# Allegro board HI3516AREFB VER.D.brd (continued)
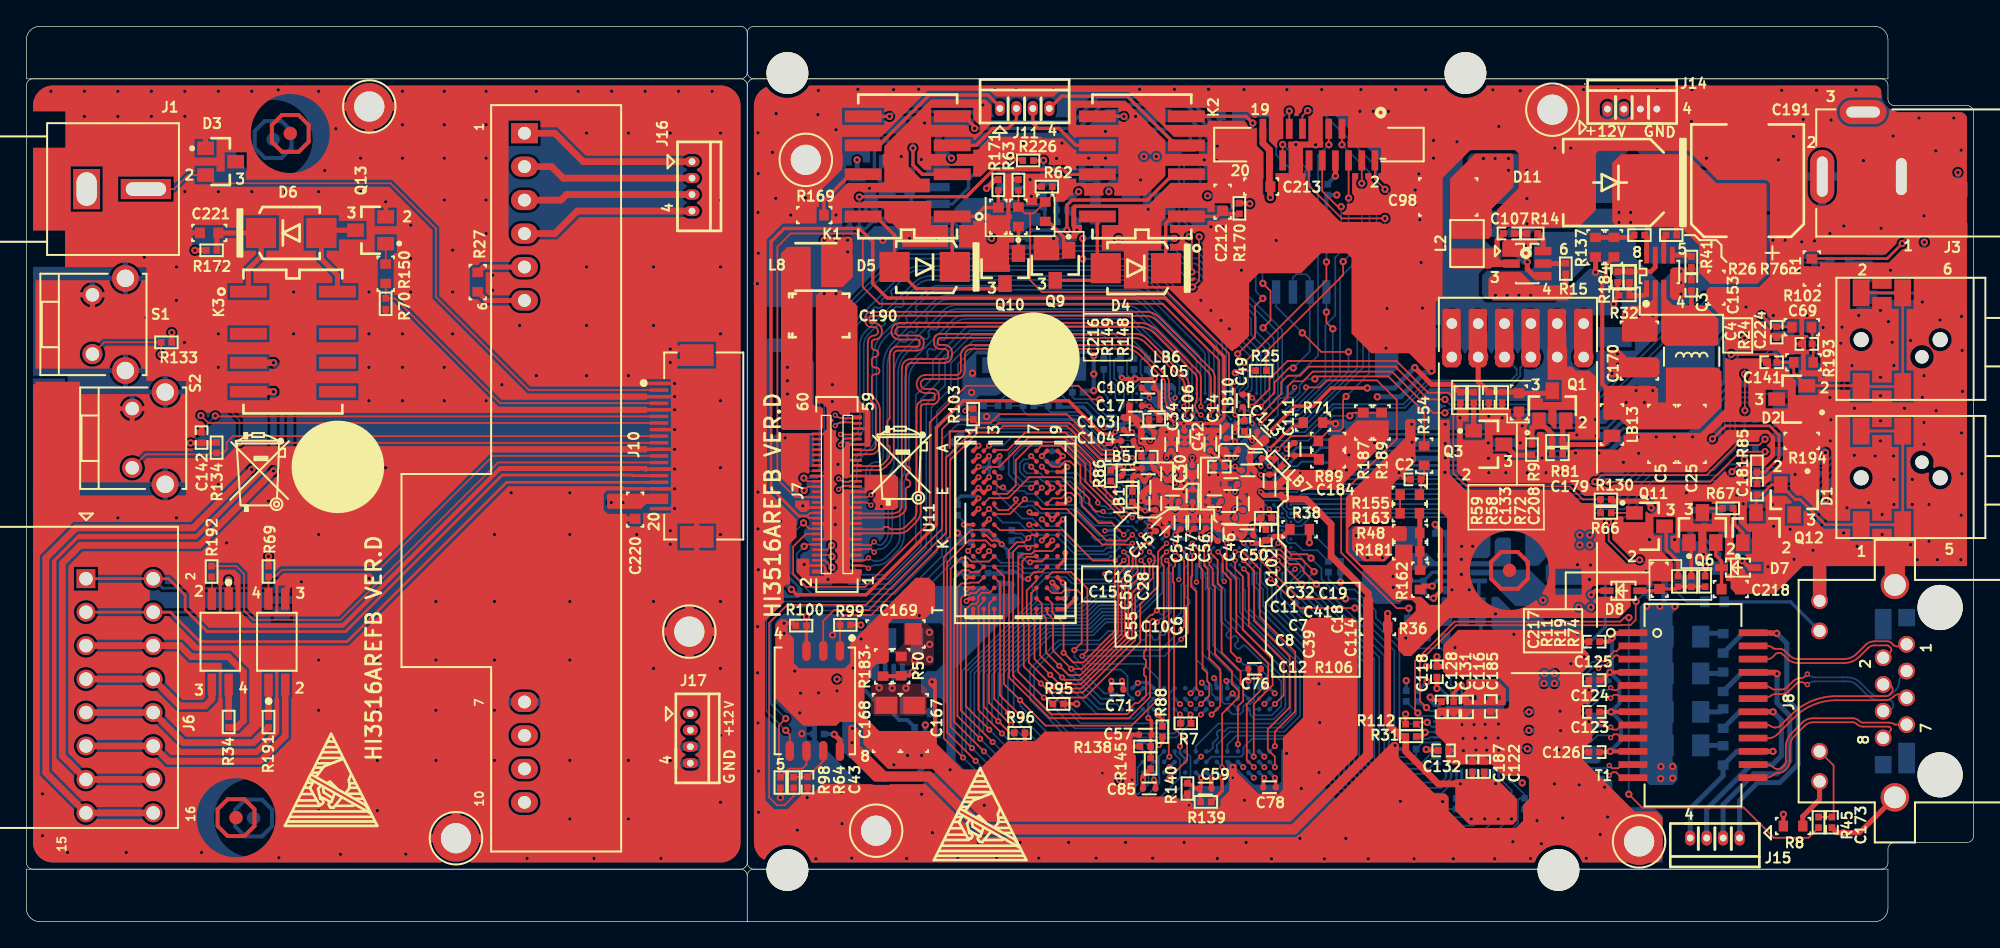
[diagram p0: board, top side]
## Nets (continued)
MIPI1_D1M: J7.41 U8.Y12
MIPI1_D1P: J7.39 U8.W12
MIPI1_D2M: J7.59 U8.AA14
MIPI1_D2P: J7.57 U8.AB14
MIPI1_D3M: J7.35 U8.AA12
MIPI1_D3P: J7.33 U8.AB12
MUTE: R66.2 R130.1 U8.Y18
MUTE_R: C181.1 D1.2 J4.1 J4.2 J4.3 J4.4 Q12.3
MX1+: J8.1 T1.23
MX1-: J8.2 T1.22
MX2+: J8.3 T1.20
MX2-: J8.6 T1.19
MX3+: J8.4 T1.17
MX3-: J8.5 T1.16
MX4+: J8.7 T1.14
MX4-: J8.8 T1.13
ONE_KEY_RECOVERY: J9.9 U8.W20
ONE_KEY_RECOVERY_CON: J10.9 R134.1 S2.2
POE_12V: D10.1 J14.1 J14.2
POE_12V_CON: J17.1 J17.2 U1.8
POE_VA1: J15.1 R93.1 T1.24
POE_VA1_CON: J16.1 U1.1
POE_VA2: J15.2 R92.1 T1.21
POE_VA2_CON: J16.2 U1.2
POE_VB1: J15.3 R91.1 T1.18
POE_VB1_CON: J16.3 U1.3
POE_VB2: J15.4 R90.1 T1.15
POE_VB2_CON: J16.4 U1.4
RGMII_ENSWREG: R115.2 U2.38
RGMII_RX_CLK: R35.1 U8.A21
RGMII_RX_DV/PHY_AD2: R119.1 U2.13 U8.B18
RGMII_RXD0/SELRGV: R107.2 U2.14 U8.A18
RGMII_RXD1/TXDLY: R108.2 U2.16 U8.C18
RGMII_RXD2/AN0: R109.2 U2.17 U8.A19
RGMII_RXD3/AN1: R110.2 U2.18 U8.A20
RGMII_TX_CLK: R23.1 U2.22
RGMII_TX_EN: U2.27 U8.C19
RGMII_TXD0: U2.23 U8.B21
RGMII_TXD1: U2.24 U8.C21
RGMII_TXD2: U2.25 U8.C20
RGMII_TXD3: U2.26 U8.D19
RS485_A: J9.15 R12.1 R196.2
RS485_A_CON: D12.1 J6.1 J6.2 J10.15
RS485_B: J9.16 R12.2 R195.2
RS485_B_CON: D12.2 J6.3 J6.4 J10.16
RXDLY: R112.2 U2.32
SDIO1_CARD_DETECT: J13.12 R124.1 U8.J20
SDIO1_CARD_POWER_EN: R60.1 R61.2 U8.J21
SDIO1_CCLK_OUT: J13.5 U8.K22
SDIO1_CCMD: J13.3 R127.1 U8.K21
SDIO1_CDATA0: J13.7 R126.1 U8.K20
SDIO1_CDATA1: J13.8 R125.1 U8.J22
SDIO1_CDATA2: J13.1 R129.1 U8.L19
SDIO1_CDATA3: J13.2 R128.1 U8.K19
SDIO1_CWPR: R106.2 U8.J19
SDIO1_VOUT: R125.2 R126.2 R127.2 R128.2 R129.2 U8.K18
SENSOR_CLK: J7.18 R30.1
SENSOR_RSTN: J7.16 U8.Y1
SFC_CLK/SFC_BOOT_MODE: R21.1 R98.2 U4.6
SFC_CSN1: R99.1 U4.1 U8.R3
SFC_SDI_IO1: U4.2 U8.P3
SFC_SDO_IO0: U4.5 U8.R2
SFC_WP_IO2: R100.2 U4.3 U8.P2
SHUTTER_TRIG: J7.30 U8.W15
SPI0_CLK/I2C0_SCL: J7.6 R54.1 U8.AB2
SPI0_CSN: J7.10 R28.1 U8.Y3
SPI0_MISO: J7.12 U8.AA2
SPI0_MOSI/I2C0_SDA: J7.8 R55.1 U8.Y2
SVB_PWM_MEDIA: R152.1 U8.AA22
SVB_PWM_VDD_DDR_CPU: R154.2 U8.AA21
SYS_RSTN_OUT: R64.2 R103.1 U8.T4
UART0_RX_CON: J10.7 J12.3
UART0_RXD: J9.7 U8.W21
UART0_TX_CON: J10.6 J12.2
UART0_TXD: J9.6 U8.Y21
UART1_RTSN: U5.2 U5.3 U8.Y19
UART1_RXD: U5.1 U8.Y22
UART1_TXD: U5.4 U8.W22
USB_DM: J2.4 U8.U21
USB_DP: J2.3 U8.U22
USB_PWREN: R58.1 R59.2 U8.V19
USB_REXT: R187.2 R189.2 U8.U20
VDAC_CVBS: J9.2 R89.2 U8.T20
VDAC_CVBS_CON: D3.2 J1.1 J10.2
VDAC_IREF: R71.2 U8.T19
VI_POWER_SENSOR: C106.1 C108.1 J7.22 J7.24 R28.2 R54.2 R55.2 U8.V6 U8.V8 U8.V11 U8.V12
WPS: J9.10 U8.AA17
WPS_CON: J10.10 R133.1 S1.2
$5N57: R76.2 U6.6
$5N172: C174.1 R2.2 U17.4
$5N179: C175.1 R3.2 U17.2
$5N189: L3.2 U17.6
$5N227: L4.1 U17.3
$5N272: L5.1 U18.3
$5N281: R4.2 U18.2
$5N289: C177.1 R5.2 U18.4
$5N295: L6.2 U18.6
$5N319: C1.1 R152.2 R153.1
$5N325: C2.1 R154.1 R155.2
$5N360: R160.2 U17.8
$5N362: R47.2 R160.1 R161.2 R180.1
$5N366: R153.2 R161.1
$5N371: R162.1 U17.1
$5N373: R48.1 R162.2 R163.1 R181.1
$5N376: R155.1 R163.2
$5N384: R50.2 R183.1 U18.8
$5N390: R49.1 R182.1 U18.1
$5N399: D9.1 J3.2
$5N405: D9.2 D10.2 F1.1
$5N494: R26.1 U6.8
$5N498: C3.2 L1.1 U6.3
$5N501: C3.1 R41.2
$5N503: R41.1 U6.5
$5N521: R24.2 R32.1 U6.1
$5N524: C4.1 R24.1 U6.7
$5N578: R26.2 R137.1 R184.2
$8N61: R88.2 U12.L8
$8N208: R87.2 U11.L8
$9N9: C200.1 R37.1 U8.U1 X1.1
$9N11: R20.1 R37.2 U8.U2
$9N21: C199.1 R20.2 X1.3
$9N36: C197.1 U8.W2 X2.1
$9N38: C198.1 U8.W1 X2.2
$9N193: R22.2 U8.E19
$9N253: R23.2 U8.B22
$9N273: R29.2 U8.B19
$9N302: C43.1 R64.1 U4.7
$9N313: R21.2 U8.P1
$10N55: R30.2 U8.AA1
$10N134: R105.1 U8.H19
$11N52: R196.1 U5.6
$11N242: C182.1 U8.P22
$11N297: R25.2 U8.Y15
$11N310: R195.1 U5.7
$12N30: R35.2 U2.19
$12N55: R33.1 U2.39
$12N66: L7.1 U2.48
$12N249: C123.1 C124.1 C125.1 C126.1 T1.1 T1.4 T1.7 T1.10
$12N424: C193.1 R90.2
$12N434: C194.1 R91.2
$12N437: C195.1 R92.2
$12N444: C196.1 R93.2
$13N108: C109.1 C190.1 J7.56 J7.58 J7.60 L8.1(TP-1)
$14N16: J8.14 R46.1
$14N24: C172.1 R44.1 R46.2
$14N29: C173.1 J8.15 R45.1
$14N96: C179.1 LB13.2 Q1.2 R81.2
$14N104: Q3.3 R9.1
$14N106: Q3.1 R58.2
$14N148: J8.16 R8.1
$14N159: C179.2 Q1.1 R9.2 R81.1
$15N48: C180.2 Q2.1 R10.2 R82.1
$15N50: Q4.1 R60.2
$15N51: Q4.3 R10.1
$16N147: Q5.1 R185.2
$16N148: C243.2 Q5.2 R185.1 R188.2 R190.1 R225.1 U16.7
$16N152: C243.1 R188.1 R203.2 R226.2 U16.6
$16N156: R206.2 R209.1 R228.2 U16.5
$16N158: R226.1 R229.2 U16.1
$16N159: R204.2 R229.1 U16.2
$16N166: R200.1 R211.1 R221.2
$16N170: R204.1 R205.1 R210.2
$16N171: C227.1 R186.2 R210.1
$16N199: R208.1 R211.2 U16.3
$16N257: C107.2 L2.1 U15.2
$16N258: C107.1 R14.2
$16N262: R13.2 R16.1 R18.1
$16N263: R13.1 U15.4
$16N265: R15.2 U15.5
$16N272: R14.1 U15.6
$17N10: C159.2 U13.12
$17N32: C139.1 U13.9
$17N46: R77.1 U13.1
$17N50: R78.1 U13.4
$17N80: C216.1 D5.2 K1.1 R171.2
$17N83: D5.1 K1.8 Q10.3
$17N87: Q10.1 R149.2
$17N129: C212.1 D4.2 K2.1 R170.2
$17N132: Q9.1 R148.2
$17N133: D4.1 K2.8 Q9.3
$18N47: LED1.1 LED1.3 R175.2
$18N52: LED1.4 Q7.3
$18N54: Q7.1 R177.2
$18N62: Q7.2 R176.2
$18N72: Q8.1 R179.2
$18N75: Q8.2 R178.2
$18N77: LED1.2 Q8.3
$18N416: Q11.1 R66.1
$18N425: Q11.3 R11.1
$18N427: C217.1 D8.2 R11.2 R19.1 R74.1
$18N435: C218.1 D7.1 Q6.2
$18N438: Q6.1 R19.2
$18N440: Q6.3 R67.2
$18N442: Q12.1 R67.1
$18N491: C69.1 R102.1 R193.2
$18N517: LED2.2 R1.1
$19N51: R192.2 U10.2
$19N55: R191.1 U9.1
$19N64: C221.1 D6.2 K3.1 R172.2
$19N66: Q13.1 R150.2
$19N67: D6.1 K3.8 Q13.3
$19N114: R34.1 U10.4
$19N229: R27.1 U1.6
$19N230: R27.2 U1.5

Pads without a net: D1 3; D2 3; D3 3; J2 1 6; J7 2 28 32 40 42 44 46 48 50 52; J12 5 6; K3 2 5 6 7; LED2 3; NOREF#14 1; NOREF#18 1; NOREF#25 1; NOREF#26 1; NOREF#27 1; NOREF#28 1; U1 9 10; U2 12 20 33 46; U8 AA3 AA4 AA5 AA7 AA16 AB3 AB4 AB5 AB6 AB7 AB8 C22 D21 D22 E20 E21 E22 F19 F20 F21 F22 G19 G20 G21 G22 H20 H21 K1 K2 K3 K4 L1 L2 L3 L4 L20 L21 L22 M1 M2 M3 M4 M18 M19 M20 M21 M22 N1 N2 N3 N4 N19 N20 P4 P21 R4 R20 T1 T2 T3 V3 V4 V20 W4 W5 W6 W7 W8 W19 Y4 Y5 Y6 Y7 Y16; U11 J1 J9 L1 L9 M7; U12 J1 J9 L1 L9 M7; U13 6; U19 1 5

## Via types
v1: diameter 0.559, hole 0.254, TOP to BOTTOM, 770 vias
v2: diameter 0.406, hole 0.203, TOP to BOTTOM, 171 vias
v3: diameter 0.457, hole 0.203, TOP to BOTTOM, 144 vias

## Routing (per net, layer and track width the routed paths; a pad name or vN(x,y) marks a point on that pad's centre or on a via; arc(x,y) is an arc through that point)
1V1_MEDIA_CORE: length 23.2
  TOP w0.254: C41.1 92.03,34.26 v2(91.71,34.57) 91.68,34.54 C11.1 90.79,34.68 90.79,34.84 v2(90.41,35.22) 89.86,35.78 C42.1 ; C39.1 92.24,31.32 v2(91.71,31.32) 91.69,31.3 C12.1
  BOTTOM w0.254: v2(91.71,34.57) U8.N15 91.52,34.11 91.52,33.73 U8.M15 ; v1(118.63,28.6) 119.79,27.43 119.79,22.37 118.09,20.67 112.67,20.67 R47.1 ; U8.H15 91.71,31.32 v2(91.71,31.32) 91.39,31.64 U8.J15 ; U8.R14 v2(90.41,35.22) U8.R13
  vias: v1(117.86,29.36) v1(117.86,28.6) v1(118.63,29.36)
1V1_VDD_DDR_CPU_CORE: length 17.1
  TOP w0.254: C32.1 91.71,35.6 v2(91.71,35.22) ; C10.1 v2(87.16,31.32) ; C28.1 86.93,33.92 v2(87.16,33.92) ; C28.1 v3(86.06,33.96) 85.91,34.11 85.88,34.11 C16.1 85.39,34.6 LB5.2 ; C28.1 v2(87.16,33.27) ; v2(88.46,31.31) 88.48,31.32 C6.1 ; v2(90.41,31.32) 90.41,31.72 C8.1 ; C7.1 91.71,33.06 v2(91.71,32.62) ; C30.1 88.45,35.21 v2(88.46,35.22)
  TOP w0.305: v2(87.16,35.22) 87.16,35.44 C34.1 86.51,35.41 v2(86.51,35.22)
  BOTTOM w0.254: U8.H8 v2(87.16,31.32) 86.84,31.64 U8.J8 ; U8.H13 90.09,31 v2(90.41,31.32) U8.H14 ; U8.P15 v2(91.71,35.22) 91.39,35.55 U8.R15 ; v2(87.16,33.92) 87.15,33.93 87.15,33.93 U8.N8 ; U8.R9 87.48,35.55 v2(87.16,35.22) ; U8.K15 91.39,32.3 v2(91.71,32.62) ; U8.H11 88.78,31 v2(88.46,31.31) 88.15,31 U8.H10 ; v2(86.51,35.22) 86.83,35.55 U8.R8 86.84,35.54 v2(87.16,35.22) ; U8.R11 v2(88.46,35.22) U8.R10 ; v2(87.16,35.22) 86.84,34.9 U8.P8 ; U8.M8 86.84,33.59 v2(87.16,33.27) U8.L8
  vias: v1(100.9,29.31) v1(100.92,28.29) v1(101.76,27.63) v1(102.88,27.63)
1V05_REGOUT: length 10.2
  TOP w0.254: C128.1 107.27,16.81 106.74,16.81 v1(106.51,17.04) ; v1(108.85,17.93) 108.29,17.37 C131.1
  TOP w0.305: v1(106.21,13.08) 106.28,13 C132.1
  BOTTOM w0.203: U2.3 113.42,15.6 113.75,15.92 v1(114,15.92) ; U2.40 108.9,17.82 108.85,17.88 v1(108.85,17.93) ; v1(106.21,13.08) 106.33,13.2 U2.28 ; U2.9 113.81,13.2 v1(113.88,13.13) ; v1(106.51,17.04) 106.51,16.73 106.85,16.4 U2.36
  BOTTOM w0.381: v1(113.88,13.13) 113.96,13.05 C129.1 ; C189.1 114.05,15.97 v1(114,15.92)
  vias: v1(115.17,18.84) v1(115.15,18.08) v1(115.93,18.84) v1(115.93,18.08)
1V8: length 74.9
  TOP w0.381: C114.1 93.92,32.36 v2(93.66,32.62)
  TOP w0.508: C114.1 95.49,32.08 97.09,32.08 98.99,30.17 98.99,27.73 101.81,24.91 101.81,24.41
  TOP w0.762: 101.81,24.41 R36.1 101.81,12.65 96.17,7.01 72.5,7.01 68.49,11.02 65.06,11.02 64.59,11.49
  BOTTOM w0.254: v2(93.66,32.62) 93.34,32.94 U8.L18
  BOTTOM w0.381: L5.2 63.55,12.07 64.45,11.17 67.52,11.17 68.99,12.65 R49.2
  vias: v1(62.67,14.68) v1(62.64,13.59)
1V35: length 44.2
  TOP w0.254: v3(72.24,28.14) 72.64,28.54 72.64,28.54 U11.K2 ; v2(85.21,29.37) C45.1 v2(85.21,30.02) ; U11.A8 77.44,35.74 v3(77.04,35.34) ; C47.1 v2(88.14,29.5) ; v3(76.11,31.09) 76.25,30.94 U11.G7 ; U11.C9 78.6,34.14 78.95,34.49 78.95,34.49 v3(78.98,34.51) ; v3(77.84,28.94) 77.44,28.54 U11.K8 ; R139.2 90.72,9.91 v3(90.72,10.93) ; C76.1 92.72,19.19 v3(92.72,18.28) ; v3(78.64,25.74) 78.24,26.14 U11.N9 ; U11.F1 72.06,31.96 v3(72.24,32.14) ; v3(83.12,18.29) 83.23,18.18 C71.1 ; v3(73.04,30.54) 72.85,30.35 U11.H2 ; U11.D9 v3(78.64,32.94) 78.24,32.54 U11.E9 ; U11.B2 v3(73.04,35.34) ; v2(89.76,29.37) 89.92,29.37 C46.1 ; U11.R1 71.81,24.51 71.5,24.51 71.33,24.34 v3(71.33,24.34) ; v3(78.8,24.54) 78.24,24.54 U11.R9 ; U11.N1 71.84,26.14 v3(71.29,26.14) ; U11.A1 v3(72.24,36.14) ; v3(78.64,30.54) 78.24,30.14 U11.H9 ; v3(94.72,10.93) 94.79,10.86 C78.1 ; U11.D2 v3(73.04,33.74) ; U11.C1 v3(72.24,34.54)
  TOP w0.381: C85.1 84.72,10.11 v3(84.72,10.77) 84.72,11.03 R145.2
  BOTTOM w0.254: v3(94.72,10.93) 94.32,11.33 U12.A1 ; v3(92.72,18.28) 92.72,17.73 U12.C9 ; v3(89.13,12.53) 88.73,12.13 88.73,12.12 U12.H2 ; U12.G7 89.52,16.12 v3(89.11,15.72) ; R144.2 70.65,32.05 70.9,32.3 72.08,32.3 v3(72.24,32.14) ; U12.K2 87.12,12.12 87.12,12.12 v3(86.72,11.72) ; v3(93.93,16.53) 94.32,16.92 U12.A8 ; U12.C1 v3(93.12,10.93) ; v3(72.24,34.54) 72.29,34.49 73.04,34.49 ; v3(82.91,10.73) 83.12,10.94 U12.R1 ; 73.04,34.49 C90.1 73.05,33.74 v3(73.04,33.74) ; 73.04,34.49 v3(73.04,35.34) ; U8.E13 v2(89.76,29.37) U8.E12 ; U12.F1 v3(90.72,10.93) ; v2(88.14,29.5) U8.E10 U8.E9 ; v3(92.32,11.73) 91.92,12.12 U12.D2 ; U12.B2 93.53,12.12 v3(93.92,11.73) ; U12.H9 88.54,17.54 v3(88.33,17.33) ; v3(78.64,25.74) 78.64,25.52 C83.1 79.01,24.75 v3(78.8,24.54) ; v3(84.72,10.77) 84.72,11.32 U12.N1 ; v3(77.04,35.34) 77.62,34.76 C93.1 78.73,34.76 v3(78.98,34.51) ; C68.1 71.01,26.42 v3(71.29,26.14) 71.62,26.46 R142.2 ; U12.K8 87.12,16.92 v3(87.53,16.52) ; U12.N9 84.51,17.51 84.51,17.5 v3(84.33,17.32) ; U12.E9 91.12,18.2 v3(91.05,18.28) 91.37,18.28 U12.D9 ; U8.E6 85.54,29.05 v2(85.21,29.37) 84.89,29.7 U8.F5 84.89,29.7 v2(85.21,30.02) U8.G5 ; v3(83.12,18.29) 83.12,17.73 U12.R9
  vias: v1(67.39,19.86) v1(68.51,21.97) v1(68.54,21.05) v1(68.54,19.91)
3V3: length 104.6
  TOP w0.254: v2(93.66,34.57) 93.66,35.12 C19.1 93.77,35.22 94.63,35.22 LB7.2 ; v3(91.71,36.45) 91.45,36.71 C14.1 ; v2(83.91,37.17) 83.45,37.17 C103.1 ; v1(61.42,51.74) 61.42,51.61 61.68,51.35 61.68,50.34 61.1,49.76 L8.2 60.54,50.27 v1(60.54,51.74) ; R112.1 v1(104.65,15.75) ; C49.1 92.41,38.95 LB10.1 92.07,38.03 91.71,37.67 v2(91.71,37.17) ; R99.2 v1(63.31,22.53) ; R74.2 127.39,26.26 v1(127.39,26.97)
  TOP w0.305: D7.2 130.71,26.87 v1(130.18,27.4) ; D8.1 119.04,25.12 v1(118.73,24.81) ; C17.1 85.17,39.16 v2(85.21,39.12) 85.96,38.37 LB6.2 ; R184.1 119.84,49.86 119.84,48.84 119.57,48.56 119.57,40.81 119.95,40.43 ; C50.1 93.09,29.95 v2(93.01,30.02) ; v1(106.89,30.15) 107.32,29.72 107.32,25.12 v1(106.76,24.56) ; LB1.1 83.91,33.73 C15.1 84.42,33.86 C51.1 85.21,33.82 v2(85.21,33.92) ; R170.1 92.77,54.56 v1(92.82,54.5) ; R8.2 v1(133.31,8.15) ; v2(71.2,38.78) 71.36,38.93 R103.2
  TOP w0.381: v1(61.3,14.22) 61.73,13.79 U4.8 ; v1(72.85,55.67) 73.52,56.33 R171.1 ; v1(123.27,31.42) 123.27,31.54 122.89,31.92 120.38,31.92 R130.2 ; R38.1 v1(97.34,28.77) ; C118.1 v1(107.02,17.7)
  TOP w0.508: J9.19 93.82,59.1 94.32,58.6 J9.18 94.32,55.86 C213.1 v1(94.38,54.97)
  POWER02 w0.305: 122.17,8.87 122.43,9.12 132.34,9.12 v1(133.31,8.15)
  BOTTOM w0.203: U2.41 109.3,17.52 109.56,17.78 109.56,17.95 v1(109.61,18) ; U2.44 110.5,17.83 110.7,18.03 v1(110.73,18.03) 110.9,17.86 U2.45 ; U2.37 107.7,17.27 107.27,17.7 v1(107.02,17.7) ; U8.P18 v2(93.66,34.57) ; U2.6 113.88,14.4 v1(114,14.52)
  BOTTOM w0.254: U8.V17 92.69,37.42 v3(91.71,36.45) ; U8.G18 v2(93.01,30.02) 93.34,29.7 U8.F18 ; U8.V16 92.04,37.49 v2(91.71,37.17) ; R111.2 v1(104.69,18.3) ; C215.1 90.51,55.67 90.06,56.12 U13.10 ; R2.1 v1(106.89,30.15) ; U8.U4 v2(83.91,37.17)
  BOTTOM w0.305: v1(68.21,14.93) 68.21,14.25 67.9,13.94 R4.1 ; R124.2 v1(130.36,44.31) ; C101.1 61.27,14.25 v1(61.3,14.22) ; v1(99.42,55.16) 98.74,55.16 98.64,55.06 U5.8 ; v1(106.76,24.56) 106.48,24.56 R3.1 ; R228.1 72.55,51.86 v1(73.24,51.86) ; C139.2 v1(92.82,54.5) ; R5.1 v1(61.5,18.41) ; R105.2 v1(99.7,25.78) ; R175.1 v1(144,51.58) ; U8.L5 U8.M5 v2(85.21,33.92) ; R115.1 v1(106.23,19.38)
  BOTTOM w0.381: C215.1 v1(89.62,55.1) ; U19.6 83.53,55.04 82.99,55.57 C110.1 82.51,56.31 82.13,55.93 v1(82.13,55.42) ; LED2.1 v1(146.55,56.87) ; R221.1 79.46,55.04 v1(79.84,55.42) ; C186.1 114.03,14.5 v1(114,14.52)
  BOTTOM w0.508: v1(123.27,31.42) 123.45,31.24 R82.2 127.33,31.24 C180.1 128.55,31.23 Q2.2 ; v1(82.86,51.86) 82.87,51.87 R57.2 ; R56.2 v1(87.12,51.87)
  vias: v1(62.31,51.74) v1(62.31,50.85) v1(64.7,17.75) v1(65.69,17.73) v1(66.73,17.73) v1(84.79,58.09) v1(85.73,58.09) v1(113.49,10.54) v1(115.07,24.41) v1(117.79,23.87) v1(118.7,23.87) v1(121.37,39.42) v1(122.13,40.31) v1(122.77,39.42) v1(123.4,40.31)
3V3_CON: length 14.5
  TOP w0.381: v1(11.03,44.73) R133.2 ; R172.1 v1(12.78,50.97) ; U10.1 v1(15.35,25.95) ; R134.2 14.38,36.34 C142.1 v1(12.45,36.34) ; R69.2 v1(18.37,27.72)
  BOTTOM w0.381: J12.1 5.35,34.27 7.42,36.34 v1(12.45,36.34)
  vias: v1(44.38,31.81) v1(45.27,31.81)
3V3_SDXC: length 17.8
  TOP w0.508: v1(136.5,35.61) v1(136.5,32.05)
  BOTTOM w0.508: Q2.3 131.31,29.34 R73.2 132.88,29 C209.1 134.11,28.99 C134.1 134.59,29 136.5,30.91 v1(136.5,32.05) ; J13.4 134.86,38.98 135.97,37.87 135.97,36.13 v1(136.5,35.61)
3V3_WIFI: length 7.9
  TOP w0.381: Q1.3 115.59,40.12 C208.1 113.15,40.2 R72.2 C133.1 110.15,41.01 J2.5
12V0: length 1.9
  TOP w0.356: R76.1 125.2,52.98
  TOP w0.381: R15.1 116.8,48.18
  vias: v1(111.46,47.54) v1(112.35,47.54) v1(113.24,47.54) v1(114.13,47.54) v1(120.84,53.84) v1(120.84,53.08) v1(121.37,46.02) v1(121.72,53.84) v1(121.72,53.08) v1(122.38,46.02) v1(123.4,46.02)
AVDD11_PLL: length 2
  TOP w0.305: LB5.1 84.6,35.83 v2(84.56,35.87) 84.39,35.87 84,36.26 C104.1
  BOTTOM w0.305: U8.R5 v2(84.56,35.87)
AVDD33_AC: length 2.3
  TOP w0.254: LB7.1 94.61,33.94 C18.1 93.68,33.94 v2(93.66,33.92)
  BOTTOM w0.203: U8.N18 v2(93.66,33.92)
AVDD33_PLL: length 2.4
  TOP w0.254: LB6.1 85.18,37.52 C105.1 85.57,36.82 v2(85.28,36.52)
  BOTTOM w0.254: v2(85.28,36.52) 84.95,36.85 U8.U5
AVDD33_USB: length 2.2
  TOP w0.254: C113.1 93.38,36.89 v2(93.01,36.52) 92.41,37.12 LB10.2
  BOTTOM w0.254: v2(93.01,36.52) 93.01,36.52 U8.T18
AVDD_BAT: length 57.9
  TOP w0.254: v1(58.05,25.22) 58.45,24.81 63.71,24.81 69.04,30.15 69.04,37.51 71.08,39.54 79.08,39.54 81.62,37 82.45,37 v2(82.61,37.17)
  BOTTOM w0.152: U8.U3 83.26,37.17 v2(82.61,37.17)
  BOTTOM w0.381: U3.1 56.57,43.76 56.19,43.38 56.19,27.07 v1(58.05,25.22)
AVDD_DDRPLL: length 10.5
  TOP w0.254: C56.1 v2(89.11,29.37) ; C54.1 v2(87.16,29.37) ; C55.1 v2(84.89,31.19)
  TOP w0.305: v2(84.89,31.19) 84.33,31.45 LB1.2
  BOTTOM w0.254: U8.E11 v2(89.11,29.37) ; U8.E8 86.84,29.05 v2(87.16,29.37) ; v2(84.89,31.19) U8.J5
  BOTTOM w0.381: 87.16,29.8 86.86,30.1 86.58,30.1 86.11,30.57 86.11,30.81 85.66,31.26 85.22,31.26 v2(84.89,31.19) ; 87.16,29.8 87.45,30.1 88.59,30.1 89.11,29.57 v2(89.11,29.37) ; 87.16,29.8 v2(87.16,29.37)
DVDDIO_ETH: length 26.4
  TOP w0.381: v2(93.01,28.72) 93.65,28.72 93.89,28.95 C102.1 94.37,28.95 94.67,29.26 95.33,29.26 R38.2 ; C122.1 110.6,10.63 ; C187.1 109.72,10.67
  TOP w0.508: v1(103.28,23.39) R36.2 103.28,15.03 104.25,14.07 R31.1 104.66,12.92 107.12,10.46 v1(108.8,10.46)
  BOTTOM w0.203: v1(111.48,10.48) 111.3,10.65 U2.15 ; v1(108.8,10.46) 108.9,10.57 U2.21
  BOTTOM w0.254: U8.E17 v2(93.01,28.72)
  BOTTOM w0.305: R110.1 v1(109.63,7.79) ; R108.1 v1(111.67,7.79) ; R109.1 v1(110.65,7.8) ; R107.1 v1(112.69,7.8)
GND: length 248.1
  TOP w0.152: v3(74,28.65) 73.71,28.93 73.25,28.93 72.84,29.34 U11.J2
  TOP w0.254: U11.F9 78.82,31.74 v3(79.13,32.05) ; C76.2 93.56,19.1 v3(93.56,18.54) ; U11.E8 77.44,32.54 v3(77.84,32.94) U11.D8 ; v3(71.31,25.24) 71.4,25.34 71.84,25.34 U11.P1 ; U11.P9 78.24,25.34 v3(77.84,25.74) ; v3(79.58,24.52) 79.59,24.52 78.81,23.74 U11.T9 ; U11.B1 v3(72.24,35.34) ; U11.M9 78.82,27.52 v3(78.82,27.99) ; v3(71.25,27.15) 71.38,27.02 71.76,27.02 U11.M1 ; 94.04,29.76 93.66,30.15 R106.1 ; U11.E1 71.84,32.54 v3(72.24,32.94) 72.42,32.76 U11.E2 v3(73.04,32.94) ; R95.1 v1(79.69,16.53) ; v2(93.01,39.77) 92.77,40.01 C49.2 ; U11.G1 72.01,31.11 v3(72.24,31.34) ; U11.A9 v3(78.64,35.34) 78.24,34.94 U11.B9 ; v2(85.21,39.77) 85.21,39.95 C108.2 ; U11.G9 78.24,30.94 v3(77.84,30.54) 77.44,30.94 U11.G8 ; U11.B3 v3(73.84,35.34) ; C56.2 89.49,31.05 v2(89.76,31.32) ; U11.D1 v3(72.24,33.74) ; U11.J8 77.44,29.34 v3(77.04,28.94) ; U11.T1 71.84,23.19 v3(71.76,23.11)
  TOP w0.305: C126.2 v1(117.81,12.87) ; R96.1 75.76,13.55 ; 77.05,50.72 Q9.2 77.05,51.35 77.55,51.86 v1(77.93,51.86) ; J9.22 104.42,60.43 v1(103.33,61.51) ; C123.2 v1(118.55,15.19) ; v2(81.79,36.26) 82.28,36.26 82.52,36.49 C104.2 ; v3(82.32,18.29) 82.29,18.26 C71.2 ; v1(101.18,61.51) 101.81,60.88 101.82,60.88 J9.3 ; C124.2 v1(118.55,17.6) ; v1(57.49,21.89) 57.92,21.46 U4.4 ; Q11.2 v1(123.15,29) ; C15.2 83.26,34.02 v2(83.26,34.57) 82.59,34.57 R86.1 ; v2(83.91,34.57) 84.08,34.41 C16.2 ; v3(93.92,10.93) 93.85,10.85 C78.2 ; Q10.2 72.6,50.72 v1(72.09,51.23) ; C133.2 v1(110.95,38.38) ; C2.2 104.66,33.57 v1(104.15,34.08) ; R88.1 86.19,13.66 v3(85.94,13.41) ; C125.2 117.86,21.26 ; v1(120.43,46.88) 120.43,47.14 R32.2 120.73,47.65 C4.2 ; R100.1 58.2,22.65 v1(57.49,22.65) ; v1(99.32,37.79) 99.23,37.89 R71.1 ; R138.1 83.7,13.31 ; v3(88.22,8.84) 88.09,8.96 R140.1 ; v1(59.24,9.42) 59.27,9.44 C43.2 ; R62.1 76.39,55.8 ; C57.2 83.7,14.19 ; v1(57.21,9.42) R98.1 ; C85.2 85.66,10.66 v3(85.55,10.77)
  TOP w0.356: v2(95.61,35.87) 96.07,36.33 C111.2
  TOP w0.381: v1(93.75,61.96) 94.82,60.89 J9.17 ; 112.86,50.91 U15.1 112.17,50.91 ; 107.75,19.38 C118.2 v1(107.02,20.11) ; C217.2 122.96,26.65 v1(122.89,26.59) ; v1(101.18,61.51) 100.82,61.16 J9.5 ; J14.4 124.42,61.69 ; R169.1 v1(58,53.64) ; v1(72.76,53.17) 73.12,52.82 C216.2 ; v3(89.92,10.93) 89.91,10.91 C59.2 ; C212.2 90.76,55.93 v1(91.65,56.82) ; v1(96.32,59) J9.14 ; R137.2 v1(119.06,49.3) ; v1(99.32,56.61) J9.8 ; C213.2 92.67,56.12 v1(92.67,56.82) 92.94,56.82 93.32,57.2 J9.20 ; v1(97.82,58.97) J9.11 ; J8.12 139.08,6.75 v1(137.85,6.75) 137.37,6.75 C173.2 ; C208.2 113.24,37.89 v1(113.49,37.64) ; 113.37,50.91 v1(113.75,51.29) ; 74.68,56.33 R63.1 ; v1(115.97,58.72) 115.97,56.74 D11.1 117.18,56.68 v1(117.18,58.72) ; R59.1 108.77,39.37 v1(108.77,38.25) ; R72.1 v1(111.97,38.25) ; v1(102.19,61.51) 102.82,60.89 J9.1 ; J14.3 122.46,60.79
  TOP w1.016: 136.05,27.34 J8.13
  TOP w1.524: J8.11 141.77,27.43
  POWER02 w0.381: M6.1 124.8,8.53 131.63,8.53 133.41,6.75 v1(137.85,6.75)
  BOTTOM w0.203: v1(109.84,14.96) 110.1,15.22 U2.43 ; v1(111.69,15.01) 111.7,15.02 U2.47 ; U12.J2 87.92,12.36 87.53,12.75 87.53,12.85 87.53,12.85 v3(87.53,13.31)
  BOTTOM w0.254: U8.A1 81.88,26.45 v2(81.83,26.39) ; U12.T1 82.32,11.32 81.69,11.32 v3(81.64,11.27) ; U12.E8 91.52,17.32 v3(91.52,17.33) U12.D8 ; U8.B9 U8.A9 87.49,26.02 v2(87.43,25.97) ; v3(91.68,40.99) 91.39,40.7 U8.AB15 U8.AA15 U8.Y14 ; U12.J8 87.92,16.92 v3(88.33,16.52) ; U8.W11 v2(88.46,38.47) 88.79,38.79 U8.Y11 ; U12.B9 93.52,17.73 93.52,18.51 v3(93.56,18.54) ; U8.L9 87.8,33.26 87.8,33.26 v2(87.81,33.27) ; v2(96.65,34.08) 96.49,34.25 U8.N22 U8.N21 ; U8.B20 v2(94.96,26.77) ; C93.2 78.28,35.7 v3(78.64,35.34) ; v3(82.32,18.29) 82.32,17.73 U12.T9 ; v3(74,28.65) 74.43,28.22 74.43,27.99 R87.1 ; U8.W3 83.59,38.15 v2(83.91,37.82) ; v1(80.98,42.97) 80.73,43.23 76.21,43.23 ; U12.F9 90.32,17.73 90.32,17.89 90.25,17.97 90.25,18.36 v3(90.12,18.49) ; C188.2 v1(117.18,19.58) ; U8.P19 v2(94.31,34.57) 94.64,34.89 U8.P20 ; U12.M1 85.52,11.32 85.52,10.8 85.55,10.77 v3(85.55,10.77) ; C200.2 78.44,39.06 80.2,39.06 v2(81.76,37.49) 81.76,37.5 ; U12.B1 93.52,11.33 v3(93.92,10.93) ; v2(82.18,40.61) 82.29,40.5 U8.AB1 ; U8.A22 v2(96.26,26.77) ; U8.AB22 95.94,40.1 96.22,40.38 v2(96.22,40.56) ; v3(83.9,10.77) 83.92,10.8 83.92,11.32 U12.P1 ; R121.2 v1(106.28,18.23) ; v2(86.51,29.37) 86.19,29.05 U8.E7 ; v3(89.92,16.53) 89.53,16.93 U12.G8 ; U12.M9 85.1,18.15 84.35,18.15 v3(84.32,18.13) 83.92,17.73 U12.P9 ; U12.G9 89.52,17.8 v3(89.18,18.14) ; U8.B14 U8.A14 90.74,25.98 v2(90.89,25.83) ; v2(87.81,34.57) 87.8,34.56 87.8,34.56 U8.N9 ; U8.F2 U8.F1 81.85,29.7 v2(81.83,29.67) ; U12.A9 v3(94.71,17.33) ; v2(92.36,28.72) U8.D17 92.55,28.26 92.55,27.87 92.84,27.58 92.84,27.25 U8.B17 ; 73.52,38.27 73.67,38.12 79.61,38.12 81.48,36.26 v2(81.79,36.26) 81.79,36.02 82.26,35.55 U8.R1 ; R225.2 64.32,55.32 v1(63.96,55.67) ; U8.T21 95.29,36.2 v2(95.61,35.87) 95.94,36.19 U8.T22 ; U12.G1 v3(89.92,10.93) ; v3(93.92,12.53) 93.53,12.93 U12.B3 ; v2(88.78,25.78) 88.78,26.44 U8.A11 U8.B11 ; U8.E5 v2(84.56,29.37) ; U8.AA18 v2(93.01,39.77) ; U8.H22 96.39,31 v2(96.5,30.88)
  BOTTOM w0.305: U19.2 v1(85.11,54.09) ; C83.2 77.84,25.38 v3(77.84,25.74) ; C64.2 72.96,29.69 v3(74,28.65) ; v1(99.32,56.61) 98.74,56.03 C112.2 ; v1(132.14,26.95) 132.23,26.95 C209.2 ; C33.2 99.14,34.1 v1(99.26,34.22) ; v1(136.35,41.45) 136.08,41.18 J13.6 ; C62.2 74.76,24.68 ; R33.2 v1(109.53,19.86) ; v1(80.6,57.96) 81.24,57.32 C227.2 ; R182.2 v1(68.71,18.21) ; C90.2 73.84,34.63 v3(73.84,35.34) ; R143.1 70.9,29.26 v1(70.65,29.51) ; R119.2 114.45,8.54 ; v1(123.93,23.94) 124.29,24.29 C172.2 ; U12.D1 v3(91.52,10.93) U12.E1 ; C189.2 v1(116.37,15.97) ; J13.11 v1(133.82,29.79) ; v3(71.25,27.15) 71.04,27.36 C68.2 ; R141.1 73.87,24.66 ; C197.2 80.3,40.31 v1(80.98,40.31) v1(80.98,41.58) v1(80.98,42.97) ; v1(104.66,21.53) C1.2 ; 76.46,41.09 76.46,40.48 v1(76.77,40.18) C198.2 ; v1(94.83,51.71) U5.5 ; R180.2 v1(108.39,20.8) ; v1(103.84,13.38) 104.13,13.1 C192.2 ; C177.2 v1(61.5,17.52) ; R200.2 79.71,53.29 v1(79.71,52.5) ; v3(91.52,11.73) U12.E2 ; C174.2 110.12,29.49 ; C134.2 v1(134.11,27.51)
  BOTTOM w0.381: 122.46,60.79 J14.3 122.46,62.6 ; J14.4 123.71,62.59 ; J14.4 123.71,60.79 ; J14.4 124.42,61.69 ; 132.72,47.95 R132.1 ; R132.1 133.89,47.95 ; R132.1 133.31,48.54 ; C110.2 v1(84.54,56.31) ; C129.2 v1(116.28,13.05) ; R131.1 135.67,51.43 ; R131.1 135.09,50.85 ; R131.1 136.25,50.85 ; C228.2 68.38,58.34 v1(67.9,57.86) ; R61.1 123.86,28.14 ; R61.1 123.27,28.72 ; R61.1 122.69,28.14 ; v1(102.5,39.85) 104.27,39.85 106.1,41.68 106.48,41.68 v1(106.61,41.8) ; R141.1 74.7,25.68 C62.2 ; R208.2 v1(76.26,55.06) ; 117.41,14.5 v1(116.4,14.5) C186.2 ; R77.2 v1(84.16,61.13)
  BOTTOM w0.508: v1(72.76,53.17) 74.45,53.17 U16.4
  BOTTOM w0.635: J3.1 141.01,56.56 ; J3.1 142.25,58.93 ; J3.1 142.25,54.07 ; J3.1 144.1,56.56
  BOTTOM w1.016: J8.13 136.05,27.35
  BOTTOM w1.524: J8.11 141.77,27.68
  vias: v1(55.46,48.43) v1(55.48,22.4) v1(55.48,18.89) v1(55.51,59.89) v1(55.53,56.79) v1(55.51,53.84) v1(55.53,50.75) v1(55.51,32.61) v1(55.51,29.82) v1(55.53,26.72) v1(55.51,15.08) v1(55.56,11.43) v1(55.56,8.3) v1(56.6,58.4) v1(56.89,61.34) v1(56.85,54.91) v1(57.11,27.73) v1(57.23,30.4) v1(57.56,36.72) v1(58.3,19.02) v1(58.49,6.95) v1(58.68,15.85) v1(58.73,17.34) v1(58.83,14.27) v1(58.91,31.57) v1(59.01,27.12) v1(59.11,54.95) v1(59.9,4.77) v1(60.09,63.09) v1(60.06,61.27) v1(60.1,17.37) v1(60.54,47.67) v1(60.82,25.98) v1(61.15,40.76) v1(61.15,39.49) v1(61.17,21.76) v1(61.35,31.42) v1(61.37,30.15) v1(61.42,60.12) v1(61.42,53.64) v1(61.42,47.67) v1(61.58,34.72) v1(61.86,9.8) v1(61.88,7.44) v1(62.62,4.82) v1(62.72,19.25) v1(63.09,63.19) v1(63.33,21.46) v1(63.36,20.24) v1(63.76,19.27) v1(64.88,31.52) v1(64.98,51.74) v1(65.79,63.17) v1(65.82,11.91) v1(66.38,58.09) v1(66.78,4.8) v1(66.86,12.62) v1(67.01,51.86) v1(67.7,63.19) v1(67.75,23.24) v1(67.93,12.62) v1(67.93,9.67) v1(68.16,60.63) v1(68.74,6.75) v1(69.04,51.86) v1(70.09,11.53) v1(70.67,4.82) v1(71.78,41.64) v1(71.71,40.18) v1(72.22,6.02) v1(72.58,62) v1(72.68,8.84) v1(72.85,38.35) v1(73.11,59.1) v1(73.49,63.19) v1(73.62,4.82) v1(75.09,63.19) v1(75.39,6.02) v1(75.65,59.1) v1(76.16,56.33) v1(76.82,4.82) v1(77.93,63.17) v1(78.16,57.93) v1(78.57,59.1) v1(79.08,6.02) v1(81.16,4.82) v1(81.87,59.99) v1(81.87,57.96) v1(83.4,6.02) v1(84.46,63.19) v1(85.45,4.82) v1(87.1,63.19) v1(87.84,6.02) v1(89.11,47.16) v1(89.36,57.83) v1(89.7,63.19) v1(89.87,52.75) v1(89.87,46.4) v1(90.36,58.87) v1(90.33,57.78) v1(90.36,4.8) v1(90.63,45.64) v1(90.76,52.75) v1(91.27,45) v1(91.78,52.75) v1(92.18,49.45) v1(92.39,63.17) v1(92.41,9.22) v1(92.54,6.02) v1(94.47,4.77) v1(95.64,63.17) v1(95.61,12.77) v1(96.63,6.32) v1(96.73,10.11) v1(98.08,18.06) v1(98.08,11.32) v1(98.13,15.11) v1(98.28,63.17) v1(98.48,4.77) v1(100.15,34.29) v1(100.11,6.32) v1(100.34,35.43) v1(101.25,63.17) v1(101.81,4.77) v1(102.29,36.34) v1(103.16,43.53) v1(103.23,46.55) v1(103.69,26.21) v1(103.72,25.37) v1(103.89,63.17) v1(104.1,24.56) v1(104.25,9.14) v1(105.11,37.77) v1(105.14,36.39) v1(105.14,35.18) v1(105.29,4.77) v1(105.37,55.55) v1(105.37,54.43) v1(105.65,56.77) v1(105.72,53.29) v1(105.82,50.03) v1(105.93,46.58) v1(106.17,63.15) v1(106.76,59.31) v1(106.76,57.96) v1(107.45,9.11) v1(107.65,37.77) v1(107.65,36.29) v1(107.65,35.2) v1(107.63,34.11) v1(108.16,25.19) v1(108.26,4.77) v1(108.54,59.2) v1(108.87,27.5) v1(108.87,26.36) v1(108.9,28.49) v1(108.92,14.96) v1(109,13.92) v1(109.02,12.98) v1(109.47,25.2) v1(109.74,28.49) v1(109.91,13.92) v1(109.99,13.03) v1(110.68,14.98) v1(110.73,13.94) v1(110.8,13.03) v1(110.91,36.34) v1(110.93,35.18) v1(110.95,34.08) v1(111.27,63.15) v1(111.46,23.36) v1(111.41,4.77) v1(111.67,13.94) v1(111.72,60.37) v1(111.72,13.03) v1(112.25,35.18) v1(112.25,34.08) v1(112.78,6.07) v1(112.86,21.81) v1(113.34,63.08) v1(113.34,36.34) v1(113.85,57.04) v1(113.85,54.89) v1(113.85,52.98) v1(113.88,34.08) v1(113.93,21.81) v1(114.12,4.79) v1(114.61,7.67) v1(114.94,5.91) v1(114.99,35.2) v1(115.04,21.87) v1(115.3,34.08) v1(115.93,10.46) v1(116.44,34.08) v1(116.57,7.87) v1(117.43,14.5) v1(117.53,35.58) v1(117.53,16.86) v1(117.64,36.95) v1(117.69,27.1) v1(117.71,21.84) v1(117.81,10.38) v1(118.04,38.12) v1(118.14,63.17) v1(118.19,20.11) v1(118.35,4.81) v1(118.68,27.07) v1(118.6,25.98) v1(119.06,38.12) v1(119.11,36.88) v1(119.31,35.58) v1(119.41,6.62) v1(119.51,15.08) v1(119.74,10.21) v1(119.97,7.95) v1(120.3,41.63) v1(120.78,63.17) v1(120.73,43.1) v1(120.73,42.34) v1(121.17,34.87) v1(122.28,36.8) v1(122.33,35.56) v1(122.93,23.96) v1(123.65,36.8) v1(123.73,63.17) v1(124.01,11.78) v1(124,10.85) v1(124.16,32.56) v1(124.9,11.78) v1(124.9,10.9) v1(125.03,36.8) v1(125.05,29) v1(125.07,23.93) v1(125.51,49.37) v1(125.51,48.51) v1(125.53,47.65) v1(125.94,32.56) v1(126.37,63.17) v1(126.32,60.75) v1(126.42,36.8) v1(127.24,27.89) v1(127.46,57.96) v1(127.72,32.56) v1(129.73,26.2) v1(130.26,31.72) v1(130.47,46.66) v1(130.44,33.7) v1(131.78,45.13) v1(132.47,31.67) v1(132.51,51.74) v1(132.54,46.02) v1(132.57,30.02) v1(132.93,57.83) v1(133.18,63.12) v1(133.43,51.74) v1(134.07,59.61) v1(134.2,33.96) v1(134.45,49.45) v1(134.7,51.61) v1(134.81,60.91) v1(135.08,46.02) v1(135.56,28.19) v1(135.67,51.69) v1(135.62,35.23) v1(135.82,63.12) v1(136.32,45.1) v1(136.84,52.24) v1(136.83,39.8) v1(136.86,36.5) v1(136.93,60.85) v1(136.91,38.1) v1(137.66,43.91) v1(137.75,45.13) v1(137.88,29.51) v1(137.9,52.81) v1(138.13,31.42) v1(138.51,42.21) v1(138.69,35.4) v1(138.7,38.97) v1(138.81,63.14) v1(138.89,28.49) v1(139.02,46.02) v1(139.38,57.78) v1(139.78,31.8) v1(140.27,35.35) v1(140.67,46.4) v1(140.67,41.32) v1(140.67,39.92) v1(140.67,38.02) v1(140.67,36.5) v1(140.72,52.64) v1(140.8,30.91) v1(140.8,29.38) v1(141.28,45.55) v1(141.43,49.45) v1(141.56,43.99) v1(141.63,59.64) v1(141.69,42.21) v1(141.66,35.35) v1(141.69,33.57) v1(141.69,31.67) v1(142.49,38.97) v1(142.96,44.12) v1(142.96,28.62) v1(143.09,33.57) v1(143.09,31.67) v1(143.47,27.48) v1(143.59,61.01) v1(143.85,47.04) v1(143.85,39.8) v1(143.98,53.58) v1(143.97,41.45) v1(143.97,37.89) v1(143.97,36.24) v1(144.36,31.67) v1(144.36,28.88) v1(144.87,58.51) v1(144.9,38.79) v1(144.99,27.48) v1(145.18,45.68) v1(146.24,61.01) v1(146.77,27.48) v1(146.79,58.57) v1(146.82,45.94) v1(146.87,43.35) v1(146.82,37.11) v1(146.85,34.01) v1(146.79,30.86) v1(146.9,40.26) v2(84.56,37.82) v2(84.56,36.52) v2(84.56,31.97) v2(86.51,37.17) v2(87.16,39.77) v2(87.81,35.22) v2(87.81,33.92) v2(87.81,32.62) v2(87.81,31.32) v2(89.11,32.62) v2(89.76,35.22) v2(89.76,33.92) v2(89.76,32.62) v2(90.41,37.02) v2(90.41,33.92) v2(91.06,35.22) v2(91.06,32.62) v2(93.01,37.82) v2(93.66,31.32) v3(85.38,30.63) v3(86.06,34.82) v3(88.68,37) v3(91.52,29.56) v3(92.87,35.81)